# Altium PCB PCB.PcbDoc (part 3 of 4) (continued)
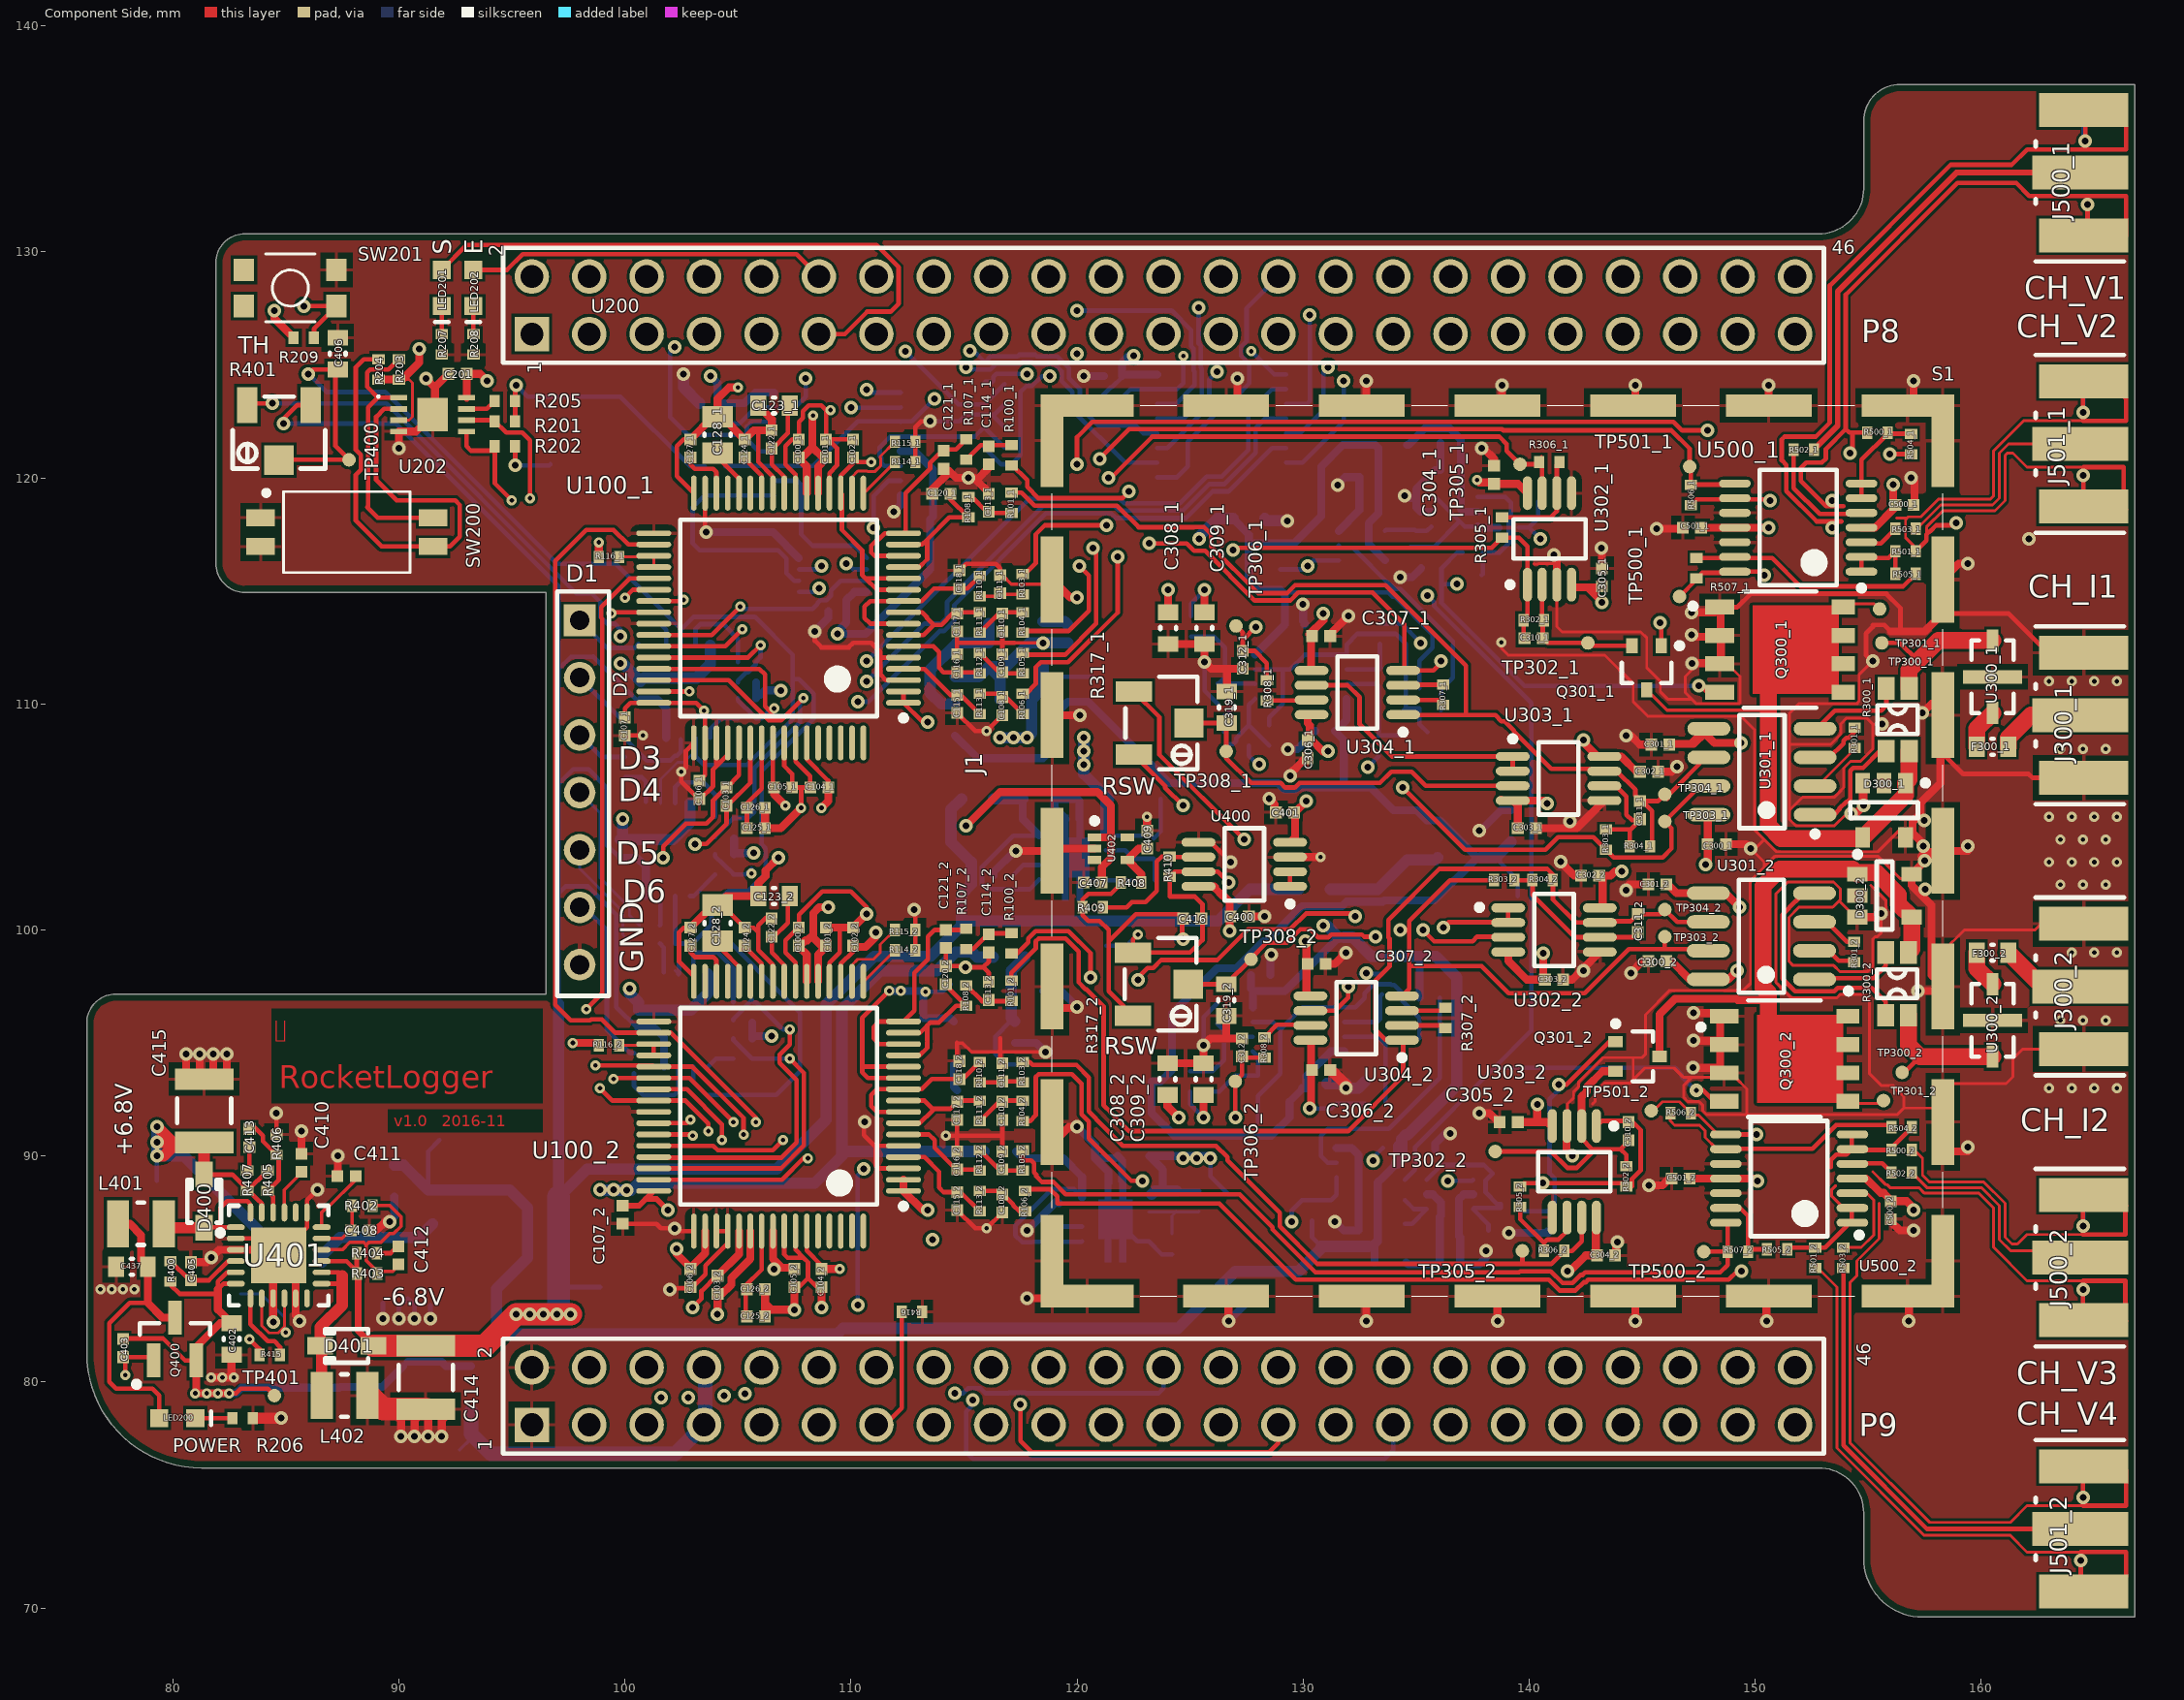
[diagram p0: Component Side view]
## Nets (pads, with @x,y where several pads share a name; then routed paths per layer and width w, separated by ;. In a path a pad name is that pad's centre, name@x,y a point inside that pad or via, vN(x,y) a via of type N, cw(c..) or ccw(c..) an arc to the next point about the centre after c; other vN are vias at no path point) (continued)
  Component Side w0.2: R113_2.2@115.7,88.45 116.55,88.45 C108_2.2@116.7,88.3 116.738,88.3 117.185,87.853 117.185,87.815 117.45,87.55 R106_2.1@117.7,87.55
NetC109_1_2: C109_1.2 R105_1.1 R112_1.2 | length 2.3
  Component Side w0.2: R112_1.2@115.7,112.25 116.55,111.4 C109_1.2@116.7,111.4 116.75,111.35 R105_1.1@117.6,111.35
NetC109_2_2: C109_2.2 R105_2.1 R112_2.2 | length 2.4
  Component Side w0.2: R112_2.2@115.7,90.25 116.55,89.4 C109_2.2@116.7,89.4 116.75,89.35 R105_2.1@117.6,89.35 R105_2.1@117.7,89.35
NetC110_1_2: C110_1.2 R104_1.1 R111_1.2 | length 2.3
  Component Side w0.2: R111_1.2@115.7,113.15 116.55,114 C110_1.2@116.7,114 116.75,114.05 R104_1.1@117.6,114.05
NetC110_2_2: C110_2.2 R104_2.1 R111_2.2 | length 2.3
  Component Side w0.2: R111_2.2@115.7,91.55 116.55,92.4 C110_2.2@116.7,92.4 116.75,92.45 R104_2.1@117.6,92.45
NetC111_1_2: C111_1.2 R103_1.1 R110_1.2 | length 2
  Component Side w0.15: R110_1.2@115.7,114.75 116.45,114.75 C111_1.2@116.6,114.9 116.65,114.85 R103_1.1@117.6,114.85
NetC111_2_2: C111_2.2 R103_2.1 R110_2.2 | length 2
  Component Side w0.2: R110_2.2@115.7,93.35 115.8,93.25 C111_2.2@116.7,93.25 ; C111_2.2@116.7,93.3 117.55,93.3 R103_2.1@117.6,93.25
NetC113_1_2: C113_1.2 R101_1.1 R108_1.2 | length 2.2
  Component Side w0.2: R108_1.2@115.2,119.15 115.35,119.15 116,118.5 C113_1.2@116.1,118.5 116.15,118.45 R101_1.1@117.1,118.45
NetC113_2_2: C113_2.2 R101_2.1 R108_2.2 | length 2.3
  Component Side w0.2: R108_2.2@115.1,97.55 115.8,96.85 R101_2.1@117.1,96.85
NetC114_1_2: C114_1.2 R100_1.1 R107_1.2 | length 2.3
  Component Side w0.2: R107_1.2@115.1,120.8 115.75,121.45 116.1,121.45 R100_1.1@117.1,121.45
NetC114_2_2: C114_2.2 R100_2.1 R107_2.2 | length 2.3
  Component Side w0.2: R107_2.2@115.1,99.15 115.4,99.15 116.1,99.85 R100_2.1@117.1,99.85
NetC115_1_2: C115_1.2 R113_1.1 U100_1.4 | length 4.2
  Component Side w0.2: U100_1.4@112.325,111.55 113.25,111.55 114.4,110.4 C115_1.2@114.7,110.4 114.85,110.4 R113_1.1@115.7,109.55
NetC115_2_2: C115_2.2 R113_2.1 U100_2.4 | length 4.8
  Component Side w0.2: U100_2.4@112.325,89.95 113.25,89.95 113.9,89.3 113.9,88.6 114.1,88.4 C115_2.2@114.7,88.4 114.85,88.4 R113_2.1@115.7,87.55
NetC116_1_2: C116_1.2 R112_1.1 U100_1.6 | length 4.3
  Component Side w0.2: U100_1.6@112.325,112.55 113.65,112.55 113.9,112.3 113.9,111.6 114.1,111.4 C116_1.2@114.7,111.4 115.65,111.4 R112_1.1@115.7,111.35
NetC116_2_2: C116_2.2 R112_2.1 U100_2.6 | length 4.2
  Component Side w0.2: U100_2.6@112.325,90.95 113.45,90.95 113.7,90.7 113.7,90.362 114.662,89.4 C116_2.2@114.7,89.4 115.65,89.4 R112_2.1@115.7,89.35
NetC117_1_2: C117_1.2 R111_1.1 U100_1.7 U100_1.9 | length 5.3
  Component Side w0.125: C117_1.2@114.6,114 C117_1.2@114.7,114
  Component Side w0.2: U100_1.7@112.325,113.05 113.214,113.05 113.664,113.5 ; U100_1.9@112.325,114.05 113.15,114.05 113.35,113.85 113.35,113.814 113.664,113.5 ; C117_1.2@114.6,114 114.5,114 114,113.5 113.664,113.5 ; C117_1.2@114.75,114.05 R111_1.1@115.7,114.05
NetC117_2_2: C117_2.2 R111_2.1 U100_2.7 U100_2.9 | length 5.4
  Component Side w0.125: C117_2.2@114.7,92.4 C117_2.2@114.7,92.535
  Component Side w0.2: U100_2.7@112.325,91.45 113.05,91.45 113.6,92 ; U100_2.9@112.325,92.45 113.25,92.45 113.6,92.1 113.6,92 ; C117_2.2@114.7,92.4 114.385,92.085 113.685,92.085 113.6,92 ; C117_2.2@114.75,92.45 R111_2.1@115.7,92.45
NetC118_1_2: C118_1.2 R110_1.1 U100_1.8 U100_1.10 | length 8
  Component Side w0.125: C118_1.2@114.8,115.099 C118_1.2@114.8,115.1
  Component Side w0.2: U100_1.8@112.325,113.55 110.85,113.55 110.6,113.8 110.6,114.3 110.85,114.55 U100_1.10@112.325,114.55 113.125,114.55 113.675,115.1 C118_1.2@114.8,115.1 115.15,115.1 R110_1.1@115.7,115.65
NetC118_2_2: C118_2.2 R110_2.1 U100_2.8 U100_2.10 | length 7.4
  Component Side w0.2: U100_2.8@112.325,91.95 111.15,91.95 110.9,92.2 110.9,92.7 111.15,92.95 U100_2.10@112.325,92.95 113.125,92.95 113.575,93.4 C118_2.2@114.8,93.4 114.95,93.4 R110_2.1@115.7,94.15
NetC120_1_2: C120_1.2 R108_1.1 U100_1.13 U100_1.15 | length 6.7
  Component Side w0.2: U100_1.13@112.325,116.05 113.025,116.05 113.375,116.4 113.375,117.275 ; U100_1.15@112.325,117.05 113.15,117.05 113.375,117.275 ; C120_1.2@114.4,119.2 114.4,119.05 R108_1.1@115.2,118.25 114.35,118.25 113.375,117.275
NetC120_2_2: C120_2.2 R108_2.1 U100_2.13 U100_2.15 | length 6.8
  Component Side w0.2: U100_2.13@112.325,94.45 113.05,94.45 113.375,94.775 113.375,95.009 113.391,95.025 113.391,95.091 113.375,95.107 113.375,95.773 ; U100_2.15@112.325,95.45 113.052,95.45 113.375,95.773 ; C120_2.2@114.2,97.6 114.2,97.55 R108_2.1@115.1,96.65 114.65,96.65 113.905,95.905 113.507,95.905 113.375,95.773
NetC121_1_2: C121_1.2 R107_1.1 U100_1.14 U100_1.16 | length 9.1
  Component Side w0.2: U100_1.14@112.325,116.55 111.05,116.55 110.9,116.7 110.9,117 111.175,117.275 111.217,117.275 111.492,117.55 U100_1.16@112.325,117.55 112.425,117.65 112.425,119.325 113.5,120.4 113.5,120.65 114.1,121.25 114.65,121.25 R107_1.1@115.1,121.7
NetC121_2_2: C121_2.2 R107_2.1 U100_2.14 U100_2.16 | length 9.4
  Component Side w0.2: U100_2.14@112.325,94.95 111.25,94.95 111,95.2 111,95.7 111.25,95.95 U100_2.16@112.325,95.95 112.8,96.425 112.8,98.1 113.4,98.7 113.4,99.7 113.7,100 C121_2.2@114.2,100 115.05,100 R107_2.1@115.1,100.05
NetC122_1_2: C122_1.2 C123_1.2 U100_1.24 | length 4.5
  Component Side w0.2: C122_1.2@106.5,121.25 106.5,120.6 107.05,120.05 U100_1.24@107.05,119.325 ; C122_1.2@106.5,121.3 106.538,121.3 107.215,121.977 107.215,123.2 C123_1.2@107.3,123.2
NetC122_2_2: C122_2.2 C123_2.2 U100_2.24 | length 4.4
  Component Side w0.2: C122_2.2@106.5,99.65 106.5,99 107.05,98.45 U100_2.24@107.05,97.725 ; C122_2.2@106.5,99.7 106.6,99.7 107.215,100.315 107.215,101.5 C123_2.2@107.3,101.5
NetC124_1_2: C124_1.2 U100_1.26 | length 1.8
  Component Side w0.2: C124_1.2@105.3,120.85 106.05,120.1 U100_1.26@106.05,119.325
NetC124_2_2: C124_2.2 U100_2.26 | length 1.8
  Component Side w0.2: C124_2.2@105.3,99.25 106.05,98.5 U100_2.26@106.05,97.725
NetC125_1_2: C125_1.2 C126_1.2 U100_1.55 | length 4
  Component Side w0.2: C125_1.2@105.4,104.5 C126_1.2@105.4,105.4 105.4,105.6 106.05,106.25 U100_1.55@106.05,108.275
NetC125_2_2: C125_2.2 C126_2.2 U100_2.55 | length 4.1
  Component Side w0.2: C125_2.2@105.35,82.9 105.35,84.27 106.05,84.97 U100_2.55@106.05,86.675
NetC127_1_2: C127_1.2 U100_1.30 | length 2.5
  Component Side w0.2: C127_1.2@102.9,120.85 102.9,120.6 103.1,120.4 103.9,120.4 104.05,120.25 U100_1.30@104.05,119.325
NetC127_2_2: C127_2.2 U100_2.30 | length 2.5
  Component Side w0.2: C127_2.2@102.9,99.25 102.9,99 103.1,98.8 103.35,98.8 103.9,98.8 104.05,98.65 U100_2.30@104.05,97.725
NetC128_1_2: C128_1.2 U100_1.28 | length 2.3
  Component Side w0.2: C128_1.2@104.1,121.2 104.32,120.98 104.32,120.7 105.05,119.97 U100_1.28@105.05,119.325
NetC128_2_2: C128_2.2 U100_2.28 | length 2.3
  Component Side w0.2: C128_2.2@104.1,99.6 104.32,99.38 104.32,99.1 105.05,98.37 U100_2.28@105.05,97.725
NetC310_1_1: C310_1.1 Q301_1.2 R302_1.2 TP302_1.1 U302_1.2 | length 6.5
  Component Side w0.2: U302_1.2@140.575,115.275 140.575,113.675 R302_1.2@140.6,113.65 ; R302_1.2@140.65,113.7 R302_1.2@140.6,113.65 ; Q301_1.2@144.55,112.575 142.725,112.575 TP302_1.1@142.6,112.7 140.8,112.7 C310_1.1@140.6,112.9 R302_1.2@140.6,113.65
NetC310_1_2: C310_1.2 R104_1.2 R302_1.1 R305_1.2 U302_1.1 | length 30.3
  Component Side w0.2: R104_1.2@117.6,113.15 117.675,113.225 119.625,113.225 120.525,114.125 120.525,115.675 v1(120.1,116.1) ; v1(126.9,116.8) 126.9,116.9 138.35,116.9 R305_1.2@138.8,117.35 139.55,117.35 139.925,116.975 U302_1.1@139.925,115.275 139.925,113.875 R302_1.1@139.75,113.7 139.75,112.95 C310_1.2@139.8,112.9
  Inner Layer 1 w0.2: v1(120.1,116.1) 120.225,115.975 126.075,115.975 v1(126.9,116.8)
NetC310_2_1: C310_2.1 Q301_2.2 R302_2.2 TP302_2.1 U302_2.2 | length 11.7
  Component Side w0.2: TP302_2.1@138.5,90.2 140.958,90.2 141.683,89.475 142.117,89.475 142.782,90.139 142.782,90.3 ; U302_2.2@142.3,90.782 142.782,90.3 ; R302_2.2@144.3,89.55 144.3,90.05 144.05,90.3 ; C310_2.1@144.4,90.65 144.05,90.3 ; 142.782,90.3 144.05,90.3
  Component Side w0.35: U302_2.2@142.325,91.325 142.325,92.623 142.55,92.848 142.55,93.05 143.25,93.75 Q301_2.2@143.825,93.75
NetC310_2_2: C310_2.2 R104_2.2 R302_2.1 R305_2.2 U302_2.1 | length 39.1
  Component Side w0.2: R104_2.2@117.6,91.55 117.925,91.55 118.175,91.8 118.175,93.493 118.307,93.625 119.775,93.625 120.2,93.2 120.2,91.842 120.525,91.517 120.525,90.775 122.4,88.9 v1(122.9,88.9) ; R305_2.2@139.6,88.65 139.75,88.8 v1(140.6,88.8) 144.15,88.8 R302_2.1@144.3,88.65 144.55,88.65 144.55,88.982 144.935,89.367 144.935,91.144 144.529,91.55 143.207,91.55 U302_2.1@142.95,91.293
  Inner Layer 1 w0.2: v1(122.9,88.9) 122.9,88.982 122.883,89 123.133,89.25 133.59,89.25 134.465,88.375 136.617,88.375 137.467,89.225 140.175,89.225 v1(140.6,88.8)
NetC311_1_1: C311_1.1 R101_1.2 R304_1.1 TP304_1.1 U301_1.6 U303_1.7 U304_1.1 | length 44.5
  Component Side w0.2: R101_1.2@117.1,119.35 117.55,119.35 118.125,118.775 121.767,118.775 122.725,117.817 125.175,117.817 125.183,117.825 125.617,117.825 125.925,117.517 125.925,116.975 128,114.9 129.298,114.9 129.648,115.25 133.65,115.25 137.2,111.7 137.2,109.5 ; U304_1.1@134.475,109.525 134.475,109.5 137.2,109.5 ; C311_1.1@144.9,105.7 C311_1.1@145,105.7 ; C311_1.1@144.95,105.8 C311_1.1@144.9,105.75 ; R304_1.1@145.35,103.7 145.435,103.785 145.435,105.265 C311_1.1@145,105.7 ; TP304_1.1@146.1,105.8 TP304_1.1@146.115,105.8 ; U301_1.6@147.95,107.635 147.828,107.635 146.193,106 TP304_1.1@146,106 145.7,105.7 C311_1.1@145,105.7 ; 137.2,109.5 138.503,109.5 138.779,109.225 138.917,109.225 139.325,108.817 139.325,108.787 140.986,107.125 143.225,107.125 U303_1.7@143.325,107.025 143.875,107.025 144.7,106.2 144.7,105.95 C311_1.1@144.9,105.75 ; C311_1.1@144.9,105.75 144.95,105.75 C311_1.1@145,105.7
NetC311_1_2: C311_1.2 R303_1.1 R304_1.2 U303_1.6 | length 5.1
  Component Side w0.2: U303_1.6@143.325,106.375 143.836,106.375 144.3,105.911 144.3,105.1 144.55,104.85 144.9,104.85 144.45,104.4 ; R303_1.1@143.4,104.45 144.4,104.45 144.45,104.4 ; R304_1.2@144.45,103.7 144.45,104.4
NetC311_2_1: C311_2.1 R101_2.2 R304_2.1 TP304_2.1 U301_2.6 U303_2.7 U304_2.1 | length 51.7
  Component Side w0.2: R101_2.2@117.1,97.75 117.1,98.1 118.175,99.175 118.175,99.493 118.307,99.625 119.493,99.625 120.075,99.043 120.075,97.683 120.383,97.375 120.425,97.375 121.175,96.625 121.175,92.246 121.5,91.921 121.5,91.9 122.3,91.1 132,91.1 134.425,93.525 U304_2.1@134.425,95.125 ; U304_2.1@134.375,95.125 133.675,95.125 133.2,95.6 133.2,97.758 133.825,98.382 133.825,99.617 133.775,99.667 133.775,100.44 136.034,102.7 140.8,102.7 141.05,102.45 R304_2.1@141.05,102.2 141.05,101.35 142.075,100.325 U303_2.7@143.125,100.325 143.125,100.385 144.485,100.385 C311_2.1@144.8,100.7 145.8,100.7 TP304_2.1@146,100.9 146.547,100.353 U301_2.6@147.925,100.353
NetC311_2_2: C311_2.2 R303_2.1 R304_2.2 U303_2.6 | length 7
  Component Side w0.2: R303_2.1@139.35,102.2 R304_2.2@140.15,102.2 140.15,101.55 142.025,99.675 U303_2.6@143.125,99.675 144.575,99.675 C311_2.2@144.8,99.9
NetC313_1_1: C313_1.1 R309_1.1 R310_1.2 R315_1.1 U305_1.3 | length 4.7
  Bottom Side w0.2: U305_1.3@131.925,110.875 133.259,110.875 133.35,110.784 R315_1.1@133.35,109.5 R309_1.1@133.35,108.584 ; R309_1.1@133.366,108.6 R310_1.2@134.366,108.6
NetC313_1_2: C313_1.2 R314_1.2 U305_1.2 | length 2.6
  Bottom Side w0.2: U305_1.2@131.925,111.525 133.359,111.525 133.434,111.6 133.4,111.634 R314_1.2@133.4,112.65
NetC313_2_1: C313_2.1 R309_2.1 R310_2.2 R315_2.1 U305_2.3 | length 5.5
  Bottom Side w0.2: U305_2.3@131.825,95.275 133.275,95.275 C313_2.1@133.4,95.15 ; R309_2.1@133.65,92.3 R310_2.2@133.65,93.3 133.65,94.9 C313_2.1@133.4,95.15 ; R315_2.1@134.25,95.2 133.45,95.2 C313_2.1@133.4,95.15
NetC313_2_2: C313_2.2 R314_2.2 U305_2.2 | length 2.8
  Bottom Side w0.2: U305_2.2@131.825,95.925 133.275,95.925 133.4,96.05 133.4,97.05 R314_2.2@133.5,97.15
NetC314_1_1: C314_1.1 R313_1.1 R316_1.1 U305_1.5 | length 4.3
  Bottom Side w0.2: C314_1.1@126.5,107.85 126.5,107.95 126.765,108.215 126.903,108.215 127.035,108.347 127.035,108.485 R313_1.1@127.6,109.05 ; U305_1.5@127.875,110.225 127.6,109.95 R313_1.1@127.6,109.05 ; R316_1.1@128.5,108.15 R313_1.1@127.6,109.05
NetC314_1_2: C314_1.2 R311_1.1 R312_1.2 U305_1.6 | length 7.4
  Bottom Side w0.2: R312_1.2@125.05,112.984 126.05,112.984 126.55,112.484 126.55,111.434 ; R311_1.1@126.234,110.9 R311_1.1@126.266,110.9 ; R311_1.1@126.25,110.884 R311_1.1@126.266,110.9 ; C314_1.2@126.5,108.75 126.5,109.447 126.734,109.682 126.734,110.866 126.7,110.9 ; 126.575,111.459 126.55,111.434 ; U305_1.6@127.875,110.875 127.85,110.9 126.7,110.9 ; R311_1.1@126.266,110.9 126.55,111.184 126.55,111.434 ; R311_1.1@126.266,110.9 126.7,110.9
NetC314_2_1: C314_2.1 R313_2.1 R316_2.1 U305_2.5 | length 3.5
  Bottom Side w0.2: C314_2.1@126,92.85 126.3,92.85 R313_2.1@127,93.55 R316_2.1@128,93.55 128,94.4 U305_2.5@127.775,94.625
NetC314_2_2: C314_2.2 R311_2.1 R312_2.2 U305_2.6 | length 4.7
  Bottom Side w0.2: R312_2.2@125,93.75 126,93.75 126.5,94.25 126.5,95.3 ; R311_2.1@126.2,95.85 126.5,95.55 126.5,95.3 ; U305_2.6@127.775,95.275 126.525,95.275 126.5,95.3
NetC319_1_2: C319_1.2 R317_1.2 TP308_1.1 U303_1.3 | length 17
  Component Side w0.2: R317_1.2@124.954,109.15 C319_1.2@126.634,109.15 126.6,109.116 TP308_1.1@126.6,107.9 126.6,107.6 127.7,106.5 129.008,106.5 129.208,106.3 129.642,106.3 129.842,106.5 133.4,106.5 133.9,107 134.8,107 135.425,106.375 U303_1.3@139.275,106.375
NetC319_2_2: C319_2.2 R317_2.2 TP308_2.1 U303_2.3 | length 16.1
  Component Side w0.2: R317_2.2@124.92,97.6 C319_2.2@126.6,97.6 TP308_2.1@127.7,98.7 127.7,98.742 128.383,99.425 129.283,99.425 129.883,100.025 130.317,100.025 130.667,99.675 131.117,99.675 131.242,99.8 132.6,99.8 132.7,99.7 v1(133.2,99.7) ; v1(135.3,100) 135.8,99.5 137.5,99.5 137.7,99.7 139.05,99.7 U303_2.3@139.075,99.675
  Inner Layer 1 w0.2: v1(133.2,99.7) 133.5,99.4 134.7,99.4 v1(135.3,100)
NetC322_1_2: C322_1.2 C324_1.2 L300_1.2 U306_1.5 | length 6.8
  Bottom Side w0.35: L300_1.2@134.593,121.459 134.659,121.459 135.4,122.2 136.479,122.2 136.984,121.694 136.984,118.616 137.1,118.5 U306_1.5@137.725,118.5
NetC322_2_2: C322_2.2 C324_2.2 L300_2.2 U306_2.5 | length 5.1
  Bottom Side w0.35: L300_2.2@134.559,85.291 134.65,85.2 136.05,85.2 136.05,87.305 136.1,87.355 136.1,87.945 135.745,88.3 U306_2.5@135.475,88.3
NetC403_2: C403.2 Q400.1 R415.1 | length 10
  Component Side w0.2: v2(77.9,80.3) 77.9,81 C403.2@77.8,81.1 79,81.1 Q400.1@79.15,80.95 ; v2(83.4,81.9) 83.85,81.45 R415.1@83.85,81.2 R415.1@83.85,81.15
  Inner Layer 1 w0.2: v2@78,80.2 v2(77.9,80.3) 77.9,81.2 78.6,81.9 v2(83.4,81.9)
NetC405_2: C405.2 R400.1 U401.4 | length 3.6
  Component Side w0.2: R400.1@79.9,85.35 80.75,84.5 C405.2@80.8,84.5 81.6,84.5 82.45,85.35 U401.4@82.79,85.35
NetC408_2: C408.2 R402.2 U401.17 | length 2.5
  Component Side w0.15: U401.17@86.59,86.35 87.49,86.35 87.94,86.8 R402.2@87.94,87.8
NetC410_2: C410.2 U401.21 | length 2.1
  Component Side w0.15: U401.21@84.94,87.5 84.94,88.5 C410.2@85.69,89.25
NetC411_2: C411.2 U401.18 | length 2.9
  Component Side w0.15: U401.18@86.59,86.85 86.59,87.5 86.79,87.7 86.847,87.7 88.14,88.993 C411.2@88.14,89.1
NetC412_1: C412.1 R404.2 | length 1.1
  Component Side w0.2: R404.2@89.04,85.7 89.64,85.7 C412.1@89.99,86.05
NetC412_2: C412.2 R402.1 R403.1 U401.16 | length 8.3
  Component Side w0.15: U401.16@86.59,85.85 87.507,85.85 87.832,86.175 88.448,86.175 88.565,86.058 ; R402.1@88.84,87.8 89.607,87.8 90.1,87.307 90.1,86.893 89.767,86.56 89.597,86.56 89.227,86.19 88.697,86.19 88.565,86.058 ; C412.2@89.99,85.15 89.74,84.9 89.04,84.9 88.565,85.375 88.565,86.058
NetC413_1: C413.1 R407.1 | length 1
  Component Side w0.2: R407.1@83.39,89.35 C413.1@83.39,90.35
NetC413_2: C413.2 R405.1 R406.2 U401.22 | length 4.7
  Component Side w0.2: C413.2@83.39,91.25 83.64,91.25 83.99,90.9 83.99,90.65 R406.2@84.59,90.05 84.69,89.95 84.69,88.95 R405.1@84.19,88.45 84.44,88.2 U401.22@84.44,87.5
NetC417_2: C417.2 L403.2 U403.5 U403.8 | length 9.9
  Bottom Side w0.2: U403.5@118.325,102.225 117.9,101.8 116,101.8 115.8,102 115.8,102.8 117.175,104.175 U403.8@118.325,104.175
  Bottom Side w0.35: C417.2@117.6,105.8 117.6,104.9 U403.8@118.325,104.175
  Bottom Side w0.5: L403.2@116.3,105.8 C417.2@117.6,105.8
NetC418_2: C418.2 L404.2 U404.5 U404.8 | length 11.6
  Bottom Side w0.2: U404.5@120.225,86.225 120.2,86.2 118.042,86.2 118.017,86.175 117.583,86.175 117.275,86.483 117.275,86.917 118.883,88.525 119.875,88.525 U404.8@120.225,88.175
  Bottom Side w0.35: L404.2@117.3,90.2 117.6,89.9 C418.2@119.4,89.9 120.225,89.075 U404.8@120.225,88.175
NetC419_2: C419.2 L405.2 U405.1 U405.3 | length 6.1
  Bottom Side w0.2: U405.3@117.25,94.05 116.85,94.05 116.4,94.5 116.4,95.293 117.057,95.95 U405.1@117.175,95.95 U405.1@117.25,95.95
  Bottom Side w0.5: U405.1@117.25,95.95 117.1,96.1 C419.2@117.1,97.3 117.1,98.2 L405.2@117.7,98.8
NetC420_2: C420.2 L406.2 U408.2 U408.3 | length 6.3
  Bottom Side w0.5: L406.2@114.6,110 114,110 113.5,110.5 113.5,111.5 C420.2@114.6,112.6 114.7,112.7 U408.2@116.1,112.7 U408.3@116.1,113.55
NetC421_2: C421.2 L407.2 U406.2 | length 5.8
  Bottom Side w0.5: L407.2@86.6,85.3 86.6,85.6 87.4,86.4 C421.2@88.3,86.4 90.9,86.4 U406.2@91.5,87
NetC422_2: C422.2 L408.2 U407.5 | length 5.3
  Bottom Side w0.5: L408.2@131.2,101.8 133.3,101.8 C422.2@134.6,103.1 135.85,103.1 U407.5@135.95,103.2
NetC423_2: C423.2 U404.6 | length 1.3
  Bottom Side w0.2: C423.2@119,87.05 119.175,86.875 U404.6@120.225,86.875
NetC424_2: C424.2 U403.6 | length 1.4
  Bottom Side w0.2: C424.2@117.15,102.4 117.625,102.875 U403.6@118.325,102.875
NetC425_2: C425.2 U408.4 | length 1.2
  Bottom Side w0.5: U408.4@118.5,113.65 119.45,113.65 C425.2@119.6,113.5
NetC427_2: C427.2 U405.4 | length 1.2
  Bottom Side w0.35: U405.4@114.55,94.05 114.55,93.05 C427.2@114.7,92.9
NetC429_1: C429.1 R411.2 R412.1 U404.2 | length 3.3
  Bottom Side w0.125: U404.2@123.175,87.525 C429.1@124.375,87.525 ; R411.2@124.2,86.55 124.2,87.35 C429.1@124.375,87.525 ; C429.1@124.4,87.55 C429.1@124.375,87.525 ; R412.1@125.4,87.55 125.375,87.525 C429.1@124.375,87.525
NetC430_1: C430.1 R413.1 R414.2 U403.2 | length 3.3
  Bottom Side w0.2: U403.2@121.275,103.525 122.125,103.525 122.5,103.15 R413.1@123.4,103.15 123.45,103.1 R414.2@123.45,102.2
NetD300_1_1: D300_1.1 D300_1.4 Q300_1.5 Q300_1.6 Q300_1.7 Q300_1.8 Q301_1.3 R300_1.3 TP301_1.1 | length 23.2
  Component Side w0.125: Q300_1.8@154.104,114.339 154.197,114.432 155.268,114.432 TP301_1.1@155.5,114.2
  Component Side w0.15: Q301_1.3@145.2,110.625 146.1,109.725 150.585,109.725
  Component Side w0.75: 150.61,111.432 150.585,111.407 150.585,109.725 150.585,104.611 151.151,104.045 154.727,104.045 156.65,105.968 D300_1.1@156.65,106.5 156.808,106.658 R300_1.3@156.808,107.911
NetD300_2_1: D300_2.1 D300_2.4 Q300_2.5 Q300_2.6 Q300_2.7 Q300_2.8 Q301_2.3 R300_2.3 TP301_2.1 | length 26.2
  Component Side w0.125: 153.275,93.118 154.075,92.318 TP301_2.1@155.675,92.318
  Component Side w0.35: Q301_2.3@145.775,94.4 145.775,96.275 146.448,96.948 149.175,96.948 149.223,96.9 150.257,96.9 150.575,97.218
  Component Side w0.75: 150.575,95.318 150.575,97.218 150.35,97.443 150.35,101.939 151.099,102.687 154.306,102.687 D300_2.1@154.525,102.468 154.591,102.534 155.355,102.534 156.338,101.551 156.338,101.156 D300_2.4@156.925,100.568 156.925,99.149 R300_2.3@156.783,99.007
NetD400_1: D400.1 L401.2 U401.1 U401.24 | length 6
  Component Side w0.2: D400.1@81.39,86.825 81.415,86.85 82.103,86.85 ; U401.1@82.79,86.85 82.103,86.85 ; U401.24@83.44,87.5 83.44,87.86 83.3,88 82.4,88 82.103,87.703 82.103,86.85
  Component Side w0.35: L401.2@79.6,87 L401.2@79.775,86.825
  Component Side w0.5: L401.2@79.775,86.825 D400.1@81.39,86.825
NetD401_2: D401.2 L402.1 U401.13 U401.14 | length 7.7
  Component Side w0.2: U401.13@86.59,84.35 87.25,84.35 87.5,84.1 ; U401.14@86.59,84.85 87.35,84.85 87.5,84.7
  Component Side w0.5: L402.1@86.59,79.4 86.59,81.535 D401.2@86.525,81.6 86.525,82.425 87.5,83.4 87.5,84.1 87.5,84.7
NetF300_1_1: F300_1.1 J300_1.1 | length 4
  Component Side w0.75: F300_1.1@161.2,108.1 161.2,108.5 162.2,109.5 J300_1.1@164.375,109.5
NetF300_1_2: F300_1.2 U300_1.1 | length 1.8
  Component Side w0.75: F300_1.2@159.8,108.1 159.8,108.9 U300_1.1@160.5,109.6
NetF300_2_1: F300_2.1 J300_2.1 | length 3.8
  Component Side w0.75: F300_2.1@161.2,99 162.7,97.5 J300_2.1@164.375,97.5
NetF300_2_2: F300_2.2 U300_2.1 | length 1.7
  Component Side w0.75: F300_2.2@159.8,99 159.8,98.3 U300_2.1@160.5,97.6
NetJ1_1: J1.1 R604_1.2 | length 3.2
  Bottom Side w0.2: J1.1@98,113.7 99.225,112.475 100.425,112.475 R604_1.2@100.6,112.65
NetJ1_2: J1.2 R605_1.2 | length 2.7
  Bottom Side w0.2: J1.2@98,111.16 99.81,109.35 R605_1.2@100,109.35
NetJ1_3: J1.3 R604_2.2 | length 2.4
  Bottom Side w0.2: J1.3@98,108.62 98.97,107.65 R604_2.2@100,107.65
NetJ1_4: J1.4 R605_2.2 | length 7
  Bottom Side w0.125: J1.4@98,106.08 98.9,105.18 98.9,102.3 100.2,101 100.2,100.65 R605_2.2@100.65,100.2
NetJ1_5: J1.5 R604_3.2 | length 5.4
  Bottom Side w0.125: J1.5@98,103.54 98,102.715 99.913,100.802 99.913,99.787 100.3,99.4 R604_3.2@100.65,99.4
NetJ1_6: J1.6 R605_3.2 | length 7.6
  Bottom Side w0.2: J1.6@98,101 98.2,101 99.2,100 99.2,95.6 100.25,94.55 R605_3.2@100.4,94.55
NetJ500_1_1: J500_1.1 R502_1.2 | length 20.3
  Component Side w0.254: R502_1.2@152.6,121.25 153.65,122.3 153.65,128.25 158.9,133.5 J500_1.1@164.375,133.5
NetJ500_1_2: J500_1.2 J500_1.3 J500_1.4 J500_1.5 R500_1.2 | length 114.7
  Component Side w0.2: v1(153.4,119) 153.65,118.75 ; 153.825,118.075 153.675,118.075 ; 153.9,118.75 153.65,118.75 ; v1(154.2,121.1) 154.3,121.2 154.3,122 ; R500_1.2@154.95,122 154.3,122 ; v1(164.6,134.9) J500_1.5@164.6,136.195 ; 164.675,132.475 162.125,132.475 161.549,133.051 158.949,133.051 154.002,128.104 154.002,122.154 ; J500_1.2@164.7,130.905 v1(164.7,132.1) 164.7,132.475 166.4,132.475 J500_1.2@166.4,130.7 ; 166.4,135.5 166.4,134.525 162.025,134.525 161.352,133.852 158.64,133.852 153.298,128.51 153.298,122.446 152.677,121.825 151.3,121.825 151.175,121.7 151.175,120.775 151.375,120.575 151.375,119.415 152.715,118.075 v1@153.4,118.075 ; v1@153.4,118.075 v1(153.4,117.8) 153.675,118.075 ; v1@153.4,118.075 153.675,118.075 ; 153.65,118.75 153.132,118.75 152.025,119.857 152.025,120.45 152.25,120.675 152.95,120.675 153.125,120.85 153.125,121.277 154.002,122.154 ; 154.002,122.154 154.156,122 154.3,122
  Inner Layer 1 w0.2: v1(153.4,117.8) v1(153.4,119)
  GND w0.2: 153.25,121.85 153.45,121.85 v1(154.2,121.1) ; v1(153.4,117.8) 153.4,118.4 v1(153.4,119) ; v1(164.6,134.9) 164.6,134.1 164.6,133.5 164.6,132.7 164.6,132.1 v1(164.7,132.1)
  GND w1: 155.4,118.4 153.4,118.4 152.9,118.4 151.7,119.6 151.7,120.9 ; 151.7,120.9 152.3,120.9 152.8,121.4 ; 151.7,120.9 151.7,121.4 152.8,121.4 ; 152.8,121.4 153.25,121.85 153.7,122.3 153.7,128.3 158.9,133.5 161.6,133.5 ; 161.6,133.5 161.7,133.5 ; 161.6,133.5 162.4,132.7 164.6,132.7 165.9,132.7 166,132.8 166,133.5 ; 161.7,133.5 164.6,133.5 166,133.5 ; 161.7,133.5 162.3,134.1 164.6,134.1 166,134.1 166,133.5
  Bottom Side w0.2: J500_1.3@164.525,130.73 164.7,130.905 v1(164.7,132.1) ; J500_1.4@164.525,136.27 164.525,134.975 v1(164.6,134.9)
NetJ500_2_1: J500_2.1 R502_2.2 | length 9.9
  Component Side w0.125: R502_2.2@156.925,89.268 157.593,88.6 160,88.6 160.8,87.8 160.8,86.3 161.3,85.8 164.075,85.8 J500_2.1@164.375,85.5
NetJ500_2_2: J500_2.2 J500_2.3 J500_2.4 J500_2.5 R500_2.2 | length 72.8
  Component Side w0.125: 155.2,89.3 155.769,88.731 155.832,88.731 155.963,88.6 157.24,88.6 157.49,88.35 159.896,88.35 160.55,87.696 160.55,85.95 162.025,84.475 164.5,84.475 ; R500_2.2@156.925,90.268 157.032,90.268 157.4,89.9 157.4,89.147 157.697,88.85 160.104,88.85 161.05,87.904 161.05,86.404 161.354,86.1 161.6,86.1 162.025,86.525 164.5,86.525
  Component Side w0.2: J500_2.5@163.2,88.21 163.2,88.84 J500_2.5@164.6,88.84 ; J500_2.2@164.525,82.73 164.5,82.755 v1(164.5,84.1) 164.5,84.475 166.375,84.475 166.375,82.725 J500_2.2@166.4,82.7 ; J500_2.5@164.525,88.27 164.5,88.245 v1(164.5,86.9) 164.5,86.525 166.375,86.525 166.375,87.775 J500_2.5@166.4,87.8
  GND w0.2: v1(164.5,84.1) 164.5,84.8 164.5,85.5 164.5,86.1 v1(164.5,86.9)
  GND w1: 153.7,89.7 155.1,89.7 ; 166,85.5 164.5,85.5 161.6,85.5 ; 155.1,89.7 157.4,89.7 158.5,88.6 ; 155.1,89.7 155.7,89.1 ; 155.7,89.1 157,89.1 157.5,88.6 ; 155.7,89.1 156.2,88.6 157.5,88.6 ; 157.5,88.6 158.5,88.6 ; 158.5,88.6 160,88.6 161,87.6 161,86.1 ; 161,86.1 164.5,86.1 166,86.1 166,84.8 164.5,84.8 162.3,84.8 161.6,85.5 ; 161,86.1 161.6,85.5
  Bottom Side w0.2: v1(164.5,84.1) 164.5,82.755 J500_2.3@164.525,82.73 ; v1(164.5,86.9) 164.525,86.925 J500_2.4@164.525,88.27
NetJ501_1_1: J501_1.1 R503_1.2 | length 10
  Component Side w0.125: R503_1.2@157.1,117.75 157.15,117.75 158.2,118.8 160.5,118.8 160.8,119.1 160.8,121.1 161.2,121.5 J501_1.1@164.375,121.5
  Component Side w0.2: R503_1.2@157.1,117.9 R503_1.2@157.125,117.925
NetJ501_1_2: J501_1.2 J501_1.3 J501_1.4 J501_1.5 R501_1.2 | length 72.9
  Component Side w0.125: 156.25,118.225 156.725,118.225 ; R501_1.2@157.1,116.75 157.1,116.9 156.65,117.35 156.65,118.15 156.725,118.225 ; 157.575,117.493 157.575,117.821 158.304,118.55 160.604,118.55 161.05,118.996 161.05,120.996 161.154,121.1 161.4,121.1 162.025,120.475 164.525,120.475 ; 164.5,122.525 161.871,122.525 160.55,121.204 160.55,119.204 160.396,119.05 158.096,119.05 157.321,118.275 156.775,118.275 156.725,118.225
  Component Side w0.2: R501_1.2@157.1,116.75 157.575,117.225 157.575,117.493 157.722,117.64 157.741,117.64 158.001,117.9 158.8,117.9 v1(158.9,118) ; J501_1.5@164.5,124.245 v1(164.5,122.9) 164.5,122.525 166.4,122.525 166.4,123.5 J501_1.5@165.63,124.27 ; J501_1.2@164.525,118.73 164.525,120.475 166.3,120.475 166.3,118.7 J501_1.2@166.4,118.6
  GND w0.2: 158.1,118.5 158.6,118 v1(158.9,118) ; v1(164.5,120.1) 164.5,120.9 164.5,121.7 164.5,122.2 v1(164.5,122.9)
  GND w1: 166,121.7 164.5,121.7 161.7,121.7 ; 157.3,117.7 158.1,118.5 158.6,119 160.7,119 160.9,119.2 160.9,120.9 ; 157.3,117.7 156.875,117.275 154.275,117.275 154.275,116.875 154.2,116.8 157,116.8 157.3,117.1 157.3,117.7 ; 160.9,120.9 164.5,120.9 166,120.9 166,122.2 164.5,122.2 162.2,122.2 161.7,121.7 ; 160.9,120.9 161.7,121.7
  Bottom Side w0.2: v1(164.5,120.1) 164.5,118.755 J501_1.3@164.525,118.73 ; v1(164.5,122.9) 164.525,122.925 J501_1.4@164.525,124.27
NetJ501_2_1: J501_2.1 R503_2.2 | length 19.9
  Component Side w0.2: R503_2.2@153.9,85.05 153.9,77.2 157.6,73.5 J501_2.1@164.375,73.5
NetJ501_2_2: J501_2.2 J501_2.3 J501_2.4 J501_2.5 R501_2.2 | length 104.6
  Component Side w0.125: R501_2.2@152.65,85.05 152.762,85.05 153.612,84.2 153.612,77.081 157.481,73.212 161.288,73.212 162.025,72.475 164.4,72.475 ; 155.488,87.909 155.488,86.338 154.5,85.35 154.5,84.7 154.188,84.388 154.188,77.319 157.719,73.788 161.288,73.788 162.025,74.525 164.5,74.525
  Component Side w0.2: J501_2.5@164.5,76.245 v1(164.5,74.9) 164.5,74.525 166.4,74.525 J501_2.5@166.4,76.1 ; J501_2.2@164.525,70.73 164.4,70.855 v1(164.4,72.1) 164.4,72.475 166.4,72.475 J501_2.2@166.4,71.4
  GND w0.2: v1(164.4,72.1) 164.4,72.7 164.4,73.4 ; 164.5,74.2 v1(164.5,74.9)
  GND w1: 153,85.4 153.8,86.2 153.8,88.3 154.8,88.3 ; 153,85.4 154.1,84.3 ; 153,85.4 154.2,85.4 ; 154.1,84.3 154.1,85.3 154.2,85.4 ; 154.1,84.3 154.1,76.9 157.6,73.4 161.4,73.4 ; 154.2,85.4 154.8,86 ; 154.8,86 154.8,88.3 ; 154.8,86 155.075,86.275 155.075,88.025 154.8,88.3 ; 161.4,73.4 162.2,74.2 164.5,74.2 166,74.2 166,73.4 ; 161.4,73.4 161.9,73.4 ; 161.9,73.4 164.4,73.4 166,73.4 ; 161.9,73.4 162.6,72.7 164.4,72.7 166,72.7 166,73.4
  Bottom Side w0.2: v1(164.4,72.1) 164.4,70.855 J501_2.3@164.525,70.73 ; v1(164.5,74.9) 164.5,76.245 J501_2.4@164.525,76.27
NetLED200_1: LED200.1 R206.2 | length 1.4
  Component Side w0.2: LED200.1@81,78.4 82.4,78.4
NetLED201_1: LED201.1 R207.2 | length 1.2
  Component Side w0.2: R207.2@91.9,126.35 LED201.1@91.9,127.6
NetLED202_1: LED202.1 R208.2 | length 1.2
  Component Side w0.2: R208.2@93.3,126.35 LED202.1@93.3,127.6